# KiCad board panel_3_3.kicad_pcb (continued)
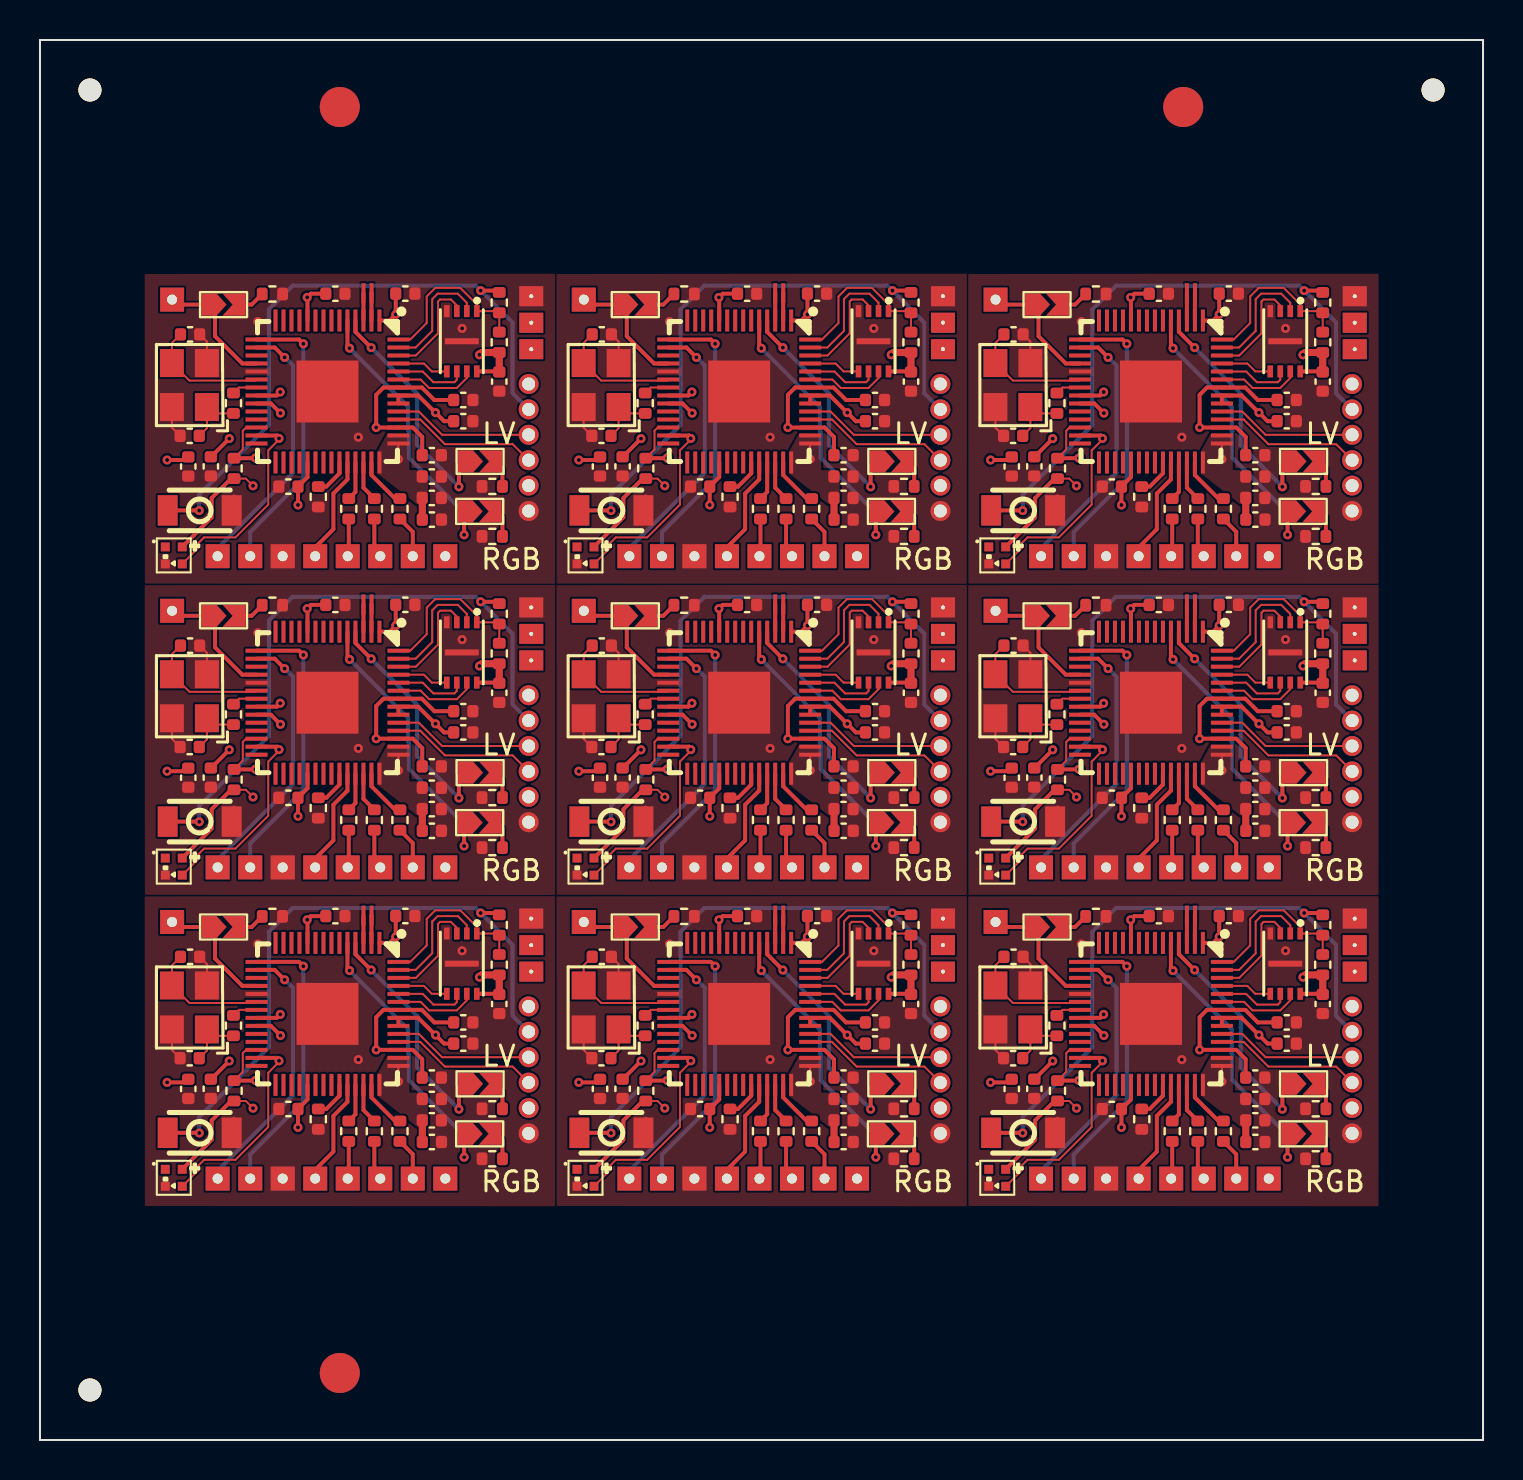
[diagram p0: board, top side]
## Placement (name value [footprint] x y rotation side) (continued)
R6#3  10k  [R_0402_1005Metric]  22.98 54.88 90 top
R6#4  10k  [R_0402_1005Metric]  43.58 39.33 90 top
R6#5  10k  [R_0402_1005Metric]  64.18 39.33 90 top
R6#6  10k  [R_0402_1005Metric]  22.98 39.33 90 top
R6#7  10k  [R_0402_1005Metric]  43.58 54.88 90 top
R6#8  10k  [R_0402_1005Metric]  43.58 23.77 90 top
R6#9  10k  [R_0402_1005Metric]  64.18 54.88 90 top
R7  10k  [R_0402_1005Metric]  43.23 45.18 180 top
R7#2  10k  [R_0402_1005Metric]  43.23 14.06 180 top
R7#3  10k  [R_0402_1005Metric]  63.83 45.18 180 top
R7#4  10k  [R_0402_1005Metric]  63.83 14.06 180 top
R7#5  10k  [R_0402_1005Metric]  22.63 29.62 180 top
R7#6  10k  [R_0402_1005Metric]  43.23 29.62 180 top
R7#7  10k  [R_0402_1005Metric]  22.63 45.18 180 top
R7#8  10k  [R_0402_1005Metric]  22.63 14.06 180 top
R7#9  10k  [R_0402_1005Metric]  63.83 29.62 180 top
R9  47  [R_0402_1005Metric]  15.45 46.56 270 top
R9#2  47  [R_0402_1005Metric]  36.05 31 270 top
R9#3  47  [R_0402_1005Metric]  56.65 46.56 270 top
R9#4  47  [R_0402_1005Metric]  15.45 31 270 top
R9#5  47  [R_0402_1005Metric]  56.65 15.44 270 top
R9#6  47  [R_0402_1005Metric]  36.05 15.44 270 top
R9#7  47  [R_0402_1005Metric]  15.45 15.44 270 top
R9#8  47  [R_0402_1005Metric]  56.65 31 270 top
R9#9  47  [R_0402_1005Metric]  36.05 46.56 270 top
R10  47  [R_0402_1005Metric]  37.33 15.44 270 top
R10#2  47  [R_0402_1005Metric]  57.93 46.56 270 top
R10#3  47  [R_0402_1005Metric]  37.33 46.56 270 top
R10#4  47  [R_0402_1005Metric]  16.73 15.44 270 top
R10#5  47  [R_0402_1005Metric]  16.73 46.56 270 top
R10#6  47  [R_0402_1005Metric]  37.33 31 270 top
R10#7  47  [R_0402_1005Metric]  16.73 31 270 top
R10#8  47  [R_0402_1005Metric]  57.93 31 270 top
R10#9  47  [R_0402_1005Metric]  57.93 15.44 270 top
R11  47  [R_0402_1005Metric]  18.01 15.44 270 top
R11#2  47  [R_0402_1005Metric]  38.61 46.56 270 top
R11#3  47  [R_0402_1005Metric]  18.01 46.56 270 top
R11#4  47  [R_0402_1005Metric]  38.61 31 270 top
R11#5  47  [R_0402_1005Metric]  59.21 31 270 top
R11#6  47  [R_0402_1005Metric]  59.21 46.56 270 top
R11#7  47  [R_0402_1005Metric]  18.01 31 270 top
R11#8  47  [R_0402_1005Metric]  38.61 15.44 270 top
R11#9  47  [R_0402_1005Metric]  59.21 15.44 270 top
R12  10k  [R_0402_1005Metric]  32.23 57.3 0 top
R12#2  10k  [R_0402_1005Metric]  32.23 26.18 0 top
R12#3  10k  [R_0402_1005Metric]  52.83 57.3 0 top
R12#4  10k  [R_0402_1005Metric]  11.63 57.3 0 top
R12#5  10k  [R_0402_1005Metric]  52.83 26.18 0 top
R12#6  10k  [R_0402_1005Metric]  32.23 41.74 0 top
R12#7  10k  [R_0402_1005Metric]  11.63 41.74 0 top
R12#8  10k  [R_0402_1005Metric]  52.83 41.74 0 top
R12#9  10k  [R_0402_1005Metric]  11.63 26.18 0 top
REF**  -  [NPTH]  2.5 67.5 0 top
REF**#2  -  [Fiducial]  57.2 66.65 0 top
REF**#3  -  [NPTH]  69.7 67.5 0 top
REF**#4  -  [Fiducial]  15 66.65 0 top
REF**#5  -  [Fiducial]  15 3.35 0 top
REF**#6  -  [NPTH]  2.5 2.5 0 top
REF**#7  -  [Fiducial]  57.2 66.65 0 bottom
REF**#8  -  [Fiducial]  15 66.65 0 bottom
REF**#9  -  [Fiducial]  15 3.35 0 bottom
SW1  EVPAWED40  [KEY-SMD_L3.0-W2.0-LS3.5]  28.59 30.92 0 top
SW1#2  EVPAWED40  [KEY-SMD_L3.0-W2.0-LS3.5]  49.19 30.92 0 top
SW1#3  EVPAWED40  [KEY-SMD_L3.0-W2.0-LS3.5]  7.99 15.36 0 top
SW1#4  EVPAWED40  [KEY-SMD_L3.0-W2.0-LS3.5]  7.99 30.92 0 top
SW1#5  EVPAWED40  [KEY-SMD_L3.0-W2.0-LS3.5]  28.59 46.48 0 top
SW1#6  EVPAWED40  [KEY-SMD_L3.0-W2.0-LS3.5]  49.19 15.36 0 top
SW1#7  EVPAWED40  [KEY-SMD_L3.0-W2.0-LS3.5]  49.19 46.48 0 top
SW1#8  EVPAWED40  [KEY-SMD_L3.0-W2.0-LS3.5]  28.59 15.36 0 top
SW1#9  EVPAWED40  [KEY-SMD_L3.0-W2.0-LS3.5]  7.99 46.48 0 top
U1  RP2040  [LQFN-56_L7.0-W7.0-P0.4-EP]  34.98 36.87 270 top
U1#2  RP2040  [LQFN-56_L7.0-W7.0-P0.4-EP]  14.38 52.42 270 top
U1#3  RP2040  [LQFN-56_L7.0-W7.0-P0.4-EP]  55.59 36.87 270 top
U1#4  RP2040  [LQFN-56_L7.0-W7.0-P0.4-EP]  34.98 21.31 270 top
U1#5  RP2040  [LQFN-56_L7.0-W7.0-P0.4-EP]  34.98 52.42 270 top
U1#6  RP2040  [LQFN-56_L7.0-W7.0-P0.4-EP]  55.59 21.31 270 top
U1#7  RP2040  [LQFN-56_L7.0-W7.0-P0.4-EP]  55.59 52.42 270 top
U1#8  RP2040  [LQFN-56_L7.0-W7.0-P0.4-EP]  14.38 36.87 270 top
U1#9  RP2040  [LQFN-56_L7.0-W7.0-P0.4-EP]  14.38 21.31 270 top
U2  W25Q16JVUXIQ  [USON-8_L3.0-W2.0-P0.50-BL-EP]  21.1 54.94 180 top
U2#2  W25Q16JVUXIQ  [USON-8_L3.0-W2.0-P0.50-BL-EP]  62.31 23.82 180 top
U2#3  W25Q16JVUXIQ  [USON-8_L3.0-W2.0-P0.50-BL-EP]  62.31 39.38 180 top
U2#4  W25Q16JVUXIQ  [USON-8_L3.0-W2.0-P0.50-BL-EP]  62.31 54.94 180 top
U2#5  W25Q16JVUXIQ  [USON-8_L3.0-W2.0-P0.50-BL-EP]  41.7 23.82 180 top
U2#6  W25Q16JVUXIQ  [USON-8_L3.0-W2.0-P0.50-BL-EP]  41.7 54.94 180 top
U2#7  W25Q16JVUXIQ  [USON-8_L3.0-W2.0-P0.50-BL-EP]  41.7 39.38 180 top
U2#8  W25Q16JVUXIQ  [USON-8_L3.0-W2.0-P0.50-BL-EP]  21.1 23.82 180 top
U2#9  W25Q16JVUXIQ  [USON-8_L3.0-W2.0-P0.50-BL-EP]  21.1 39.38 180 top
U5  XL-1010RGBC-WS2812B  [LED-SMD_4P-L1.0-W1.0-TL_XL-1010RGBC-WS2812B]  27.29 13.11 0 top
U5#2  XL-1010RGBC-WS2812B  [LED-SMD_4P-L1.0-W1.0-TL_XL-1010RGBC-WS2812B]  6.69 13.11 0 top
U5#3  XL-1010RGBC-WS2812B  [LED-SMD_4P-L1.0-W1.0-TL_XL-1010RGBC-WS2812B]  27.29 44.23 0 top
U5#4  XL-1010RGBC-WS2812B  [LED-SMD_4P-L1.0-W1.0-TL_XL-1010RGBC-WS2812B]  47.89 44.23 0 top
U5#5  XL-1010RGBC-WS2812B  [LED-SMD_4P-L1.0-W1.0-TL_XL-1010RGBC-WS2812B]  6.69 28.67 0 top
U5#6  XL-1010RGBC-WS2812B  [LED-SMD_4P-L1.0-W1.0-TL_XL-1010RGBC-WS2812B]  47.89 13.11 0 top
U5#7  XL-1010RGBC-WS2812B  [LED-SMD_4P-L1.0-W1.0-TL_XL-1010RGBC-WS2812B]  47.89 28.67 0 top
U5#8  XL-1010RGBC-WS2812B  [LED-SMD_4P-L1.0-W1.0-TL_XL-1010RGBC-WS2812B]  6.69 44.23 0 top
U5#9  XL-1010RGBC-WS2812B  [LED-SMD_4P-L1.0-W1.0-TL_XL-1010RGBC-WS2812B]  27.29 28.67 0 top
X1  SMD-3225_4P_12.000MHZ_9PF  [OSC-SMD_4P-L3.2-W2.5-BL]  28.08 21.63 90 top
X1#2  SMD-3225_4P_12.000MHZ_9PF  [OSC-SMD_4P-L3.2-W2.5-BL]  7.48 21.63 90 top
X1#3  SMD-3225_4P_12.000MHZ_9PF  [OSC-SMD_4P-L3.2-W2.5-BL]  48.68 37.19 90 top
X1#4  SMD-3225_4P_12.000MHZ_9PF  [OSC-SMD_4P-L3.2-W2.5-BL]  28.08 37.19 90 top
X1#5  SMD-3225_4P_12.000MHZ_9PF  [OSC-SMD_4P-L3.2-W2.5-BL]  48.68 21.63 90 top
X1#6  SMD-3225_4P_12.000MHZ_9PF  [OSC-SMD_4P-L3.2-W2.5-BL]  28.08 52.75 90 top
X1#7  SMD-3225_4P_12.000MHZ_9PF  [OSC-SMD_4P-L3.2-W2.5-BL]  7.48 52.75 90 top
X1#8  SMD-3225_4P_12.000MHZ_9PF  [OSC-SMD_4P-L3.2-W2.5-BL]  7.48 37.19 90 top
X1#9  SMD-3225_4P_12.000MHZ_9PF  [OSC-SMD_4P-L3.2-W2.5-BL]  48.68 52.75 90 top

## Library data of the parts
C1 C1#2-C1#9 C3 C3#2-C3#9 = -: Description: 50V 27pF C0G   5% 0402 Multilayer Ceramic Capacitors MLCC - SMD SMT ROHS; LCSC: C1557; MFG: FH(Guangdong Fenghua Advanced Tech); MFGPN: 0402CG270J500NT
C2 C2#2-C2#9 C4 C4#2-C4#9 C7 C7#2-C7#9 C8 C8#2-C8#9 C9 C9#2-C9#9 C10 C10#2-C10#9 C11 C11#2-C11#9 C12 C12#2-C12#9 C13 C13#2-C13#9 C14 C14#2-C14#9 = -: Description: 16V 100nF X7R   10% 0402 Multilayer Ceramic Capacitors MLCC - SMD SMT ROHS; LCSC: C1525; MFG: Samsung Electro-Mechanics; MFGPN: CL05B104KO5NNNC
C5 C5#2-C5#9 C6 C6#2-C6#9 = -: Description: 25V 1uF X5R   10% 0402 Multilayer Ceramic Capacitors MLCC - SMD SMT ROHS; LCSC: C52923; MFG: Samsung Electro-Mechanics; MFGPN: CL05A105KA5NQNC
J1 J1#2-J1#9 J2 J2#2-J2#9 J3 J3#2-J3#9 J4 J4#2-J4#9 J5 J5#2-J5#9 J6 J6#2-J6#9 J7 J7#2-J7#9 J9 J9#2-J9#9 J10 J10#2-J10#9 J11 J11#2-J11#9 J12 J12#2-J12#9 J13 J13#2-J13#9 J14 J14#2-J14#9 J15 J15#2-J15#9 = -: Description: Generic connector, single row, 01x01, script generated (kicad-library-utils/schlib/autogen/connector/)
J8 J8#2-J8#9 = -: Description: Generic connector, single row, 01x06, script generated (kicad-library-utils/schlib/autogen/connector/)
JP1 JP1#2-JP1#9 JP2 JP2#2-JP2#9 JP3 JP3#2-JP3#9 = -: Description: Jumper, 2-pole, open
R1 R1#2-R1#9 R5 R5#2-R5#9 = -: Description: 1% 1 16W Thick Film Resistors 50V   100ppm    -55    155   1k   0402 Chip Resistor - Surface Mount ROHS; LCSC: C11702; MFG: UNI-ROYAL(Uniroyal Elec); MFGPN: 0402WGF1001TCE
R2 R2#2-R2#9 R3 R3#2-R3#9 R4 R4#2-R4#9 R6 R6#2-R6#9 R7 R7#2-R7#9 R12 R12#2-R12#9 = -: Description: 1% 1 16W Thick Film Resistors 50V   100ppm    -55    155   10k   0402 Chip Resistor - Surface Mount ROHS; LCSC: C25744; MFG: UNI-ROYAL(Uniroyal Elec); MFGPN: 0402WGF1002TCE
R9 R9#2-R9#9 R10 R10#2-R10#9 R11 R11#2-R11#9 = -: Description: 1% 1 16W Thick Film Resistors 50V   200ppm    -55    155   47   0402 Chip Resistor - Surface Mount ROHS; LCSC: C25118; MFG: UNI-ROYAL(Uniroyal Elec); MFGPN: 0402WGF470JTCE
SW1 SW1#2-SW1#9 = -: LCSC: C2858607; SuppliersPartNumber: C2858607; uuid: std:b3d2281db68646f2b0685a65c68733f5
U1 U1#2-U1#9 = -: LCSC: C2040; SuppliersPartNumber: C2040; uuid: std:c2754a5dac404cb1b757213b56759c67
U2 U2#2-U2#9 = -: LCSC: C2843335; SuppliersPartNumber: C2843335; uuid: std:66ae94394ed740d3b0137599308f54a6
U5 U5#3-U5#6 U5#8 = -: LCSC: C5349953; SuppliersPartNumber: C5349953; uuid: std:b345638697f54fed94b7ee83c7589e6a; Field7: DO; Field8: DI
U5#2 U5#7 U5#9 = -: LCSC: C5349953; SuppliersPartNumber: C5349953; uuid: std:b345638697f54fed94b7ee83c7589e6a; Field7: DI; Field8: DO
X1 X1#2-X1#9 = -: LCSC: C362368; SuppliersPartNumber: C362368; uuid: std:de6bf95d1c734ee9b9ab1b97c5f93dbc

## Footprints (pads in the part's own frame, mm; a bottom-side part is the same pattern mirrored in y, then rotated)
C_0402_1005Metric
  rrect 0.56x0.62 smd: 1(-0.48,0) 2(0.48,0)
Fiducial
  round 2 smd: (0,0)
KEY-SMD_L3.0-W2.0-LS3.5
  rect 1x1.524 smd: 1(-1.6,0) 2(1.6,0)
LED-SMD_4P-L1.0-W1.0-TL_XL-1010RGBC-WS2812B
  rect 0.45x0.45 smd: 1(-0.425,0.425) 2(0.425,0.425) 3(-0.425,-0.425) 4(0.425,-0.425)
LQFN-56_L7.0-W7.0-P0.4-EP
  rect 1.1x0.2 smd: 1(-3.55,2.6) 2(-3.55,2.2) 3(-3.55,1.8) 4(-3.55,1.4) 5(-3.55,1) 6(-3.55,0.6) 7(-3.55,0.2) 8(-3.55,-0.2) 9(-3.55,-0.6) 10(-3.55,-1) 11(-3.55,-1.4) 12(-3.55,-1.8) 13(-3.55,-2.2) 14(-3.55,-2.6) 29(3.55,-2.6) 30(3.55,-2.2) 31(3.55,-1.8) 32(3.55,-1.4) 33(3.55,-1) 34(3.55,-0.6) 35(3.55,-0.2) 36(3.55,0.2) 37(3.55,0.6) 38(3.55,1) 39(3.55,1.4) 40(3.55,1.8) 41(3.55,2.2) 42(3.55,2.6)
  rect 0.2x1.1 smd: 15(-2.6,-3.55) 16(-2.2,-3.55) 17(-1.8,-3.55) 18(-1.4,-3.55) 19(-1,-3.55) 20(-0.6,-3.55) 21(-0.2,-3.55) 22(0.2,-3.55) 23(0.6,-3.55) 24(1,-3.55) 25(1.4,-3.55) 26(1.8,-3.55) 27(2.2,-3.55) 28(2.6,-3.55) 43(2.6,3.55) 44(2.2,3.55) 45(1.8,3.55) 46(1.4,3.55) 47(1,3.55) 48(0.6,3.55) 49(0.2,3.55) 50(-0.2,3.55) 51(-0.6,3.55) 52(-1,3.55) 53(-1.4,3.55) 54(-1.8,3.55) 55(-2.2,3.55) 56(-2.6,3.55)
  rect 3.1x3.1 smd: 57(0,0)
NPTH
  round 1.152 hole 1.152 unplated: (0,0)
OSC-SMD_4P-L3.2-W2.5-BL
  rect 1.4x1.2 smd: 1(-1.1,-0.875) 2(1.1,-0.875) 3(1.1,0.875) 4(-1.1,0.875)
Pad_0.2x1mm
  rect 0.2x1 smd: 1(0,0)
ProgPins_1x06_P1.27mm
  oval 1x1 hole 0.65: 1(0,0) 2(0,-1.27) 3(0,-2.54) 4(0,-3.81) 5(0,-5.08) 6(0,-6.35)
R_0402_1005Metric
  rrect 0.54x0.64 smd: 1(-0.51,0) 2(0.51,0)
SolderJumper-2_P1.3mm_Open_TrianglePad1.0x1.5mm_Sm
  custom 1.25x1.1 smd: 1(-0.725,0)
  custom 1.15x1.1 smd: 2(0.725,0)
TH_Pads_1.2x1_P1.20mml
  rect 1.2x1 hole 0.2: 1(0,0)
TH_Pads_1x1_P1.20mml
  rect 1.2x1.2 hole 0.5: 1(0,0)
USON-8_L3.0-W2.0-P0.50-BL-EP
  rect 0.28x0.6 smd: 1(-0.75,-1.507) 2(-0.25,-1.507) 3(0.25,-1.507) 4(0.75,-1.507) 5(0.75,1.507) 6(0.25,1.507) 7(-0.25,1.507) 8(-0.75,1.507)
  rect 1.7x0.3 smd: 9(0,0)

## Nets
Board_0-+1V1: C2#4.1 C4#2.1 C5.1 U1#2.23 U1#2.45 U1#2.50
Board_0-+3V3: C6#6.2 C7#7.1 C8#5.1 C9#2.1 C10#4.1 C11#9.1 C12#2.1 C13#6.1 C14#3.1 J8#4.5 J10#2.1 J11#4.1 R2#8.1 R6#3.1 U1#2.1 U1#2.10 U1#2.22 U1#2.33 U1#2.42 U1#2.43 U1#2.44 U1#2.48 U1#2.49 U2.8 U5#8.2
Board_0-BOARD_DET: R3#3.1 U1#2.37
Board_0-BOOT: J8#4.2 R5#8.1 SW1#9.1
Board_0-D+: J8#4.3 U1#2.47
Board_0-D-: J8#4.4 U1#2.46
Board_0-DBG_CLK: U1#2.24
Board_0-DBG_DAT: U1#2.25
Board_0-FLY_IO0: J14.1 U1#2.2
Board_0-FLY_IO1: J15#3.1 U1#2.3
Board_0-GND: C1#5.1 C2#4.2 C3#2.2 C4#2.2 C5.2 C6#6.1 C7#7.2 C8#5.2 C9#2.2 C10#4.2 C11#9.2 C12#2.2 C13#6.2 C14#3.2 J8#4.6 J9#7.1 J12#3.1 R3#3.2 R4#2.2 R7#7.2 R12#4.2 SW1#9.2 U1#2.19 U1#2.57 U2.4 U2.9 U5#8.3 X1#7.2 X1#7.4
Board_0-LED_DATA: J13#6.1 U1#2.27 U5#8.4
Board_0-Net-(JP1-B): JP1#2.2 R12#4.1
Board_0-Net-(JP2-B): JP2#6.2 R4#2.1
Board_0-Net-(JP3-B): JP3#8.2 R7#7.1
Board_0-Net-(U1-GPIO27_ADC1): R9.1 U1#2.39
Board_0-Net-(U1-GPIO28_ADC2): R10#5.1 U1#2.40
Board_0-Net-(U1-GPIO29_ADC3): R11#3.1 U1#2.41
Board_0-Net-(X1-OSC1): C1#5.2 R1#6.1 X1#7.1
Board_0-NS_CLK: J3#5.1 R9.2
Board_0-NS_CMD: J4#3.1 R10#5.2
Board_0-NS_CPU: J1#9.1 JP1#2.1 U1#2.18
Board_0-NS_D0: J5.1 R11#3.2
Board_0-NS_RST: J2#3.1 U1#2.38
Board_0-NS_SCL: J7#8.1 U1#2.16
Board_0-NS_SDA: J6#7.1 U1#2.15
Board_0-QSPI_CS: R5#8.2 R6#3.2 U1#2.56 U2.1
Board_0-QSPI_SCK: U1#2.52 U2.6
Board_0-QSPI_SD0: U1#2.53 U2.5
Board_0-QSPI_SD1: U1#2.55 U2.2
Board_0-QSPI_SD2: U1#2.54 U2.3
Board_0-QSPI_SD3: U1#2.51 U2.7
Board_0-RST: J8#4.1 R2#8.2 U1#2.26
Board_0-SW_CPU_LOWV: JP2#6.1 U1#2.4
Board_0-SW_I2C_LEDS: JP3#8.1 U1#2.5
Board_0-unconnected-(U1-GPIO4-Pad6): U1#2.6
Board_0-unconnected-(U1-GPIO5-Pad7): U1#2.7
Board_0-unconnected-(U1-GPIO6-Pad8): U1#2.8
Board_0-unconnected-(U1-GPIO7-Pad9): U1#2.9
Board_0-unconnected-(U1-GPIO8-Pad11): U1#2.11
Board_0-unconnected-(U1-GPIO9-Pad12): U1#2.12
Board_0-unconnected-(U1-GPIO10-Pad13): U1#2.13
Board_0-unconnected-(U1-GPIO11-Pad14): U1#2.14
Board_0-unconnected-(U1-GPIO14-Pad17): U1#2.17
Board_0-unconnected-(U1-GPIO17-Pad28): U1#2.28
Board_0-unconnected-(U1-GPIO18-Pad29): U1#2.29
Board_0-unconnected-(U1-GPIO19-Pad30): U1#2.30
Board_0-unconnected-(U1-GPIO20-Pad31): U1#2.31
Board_0-unconnected-(U1-GPIO21-Pad32): U1#2.32
Board_0-unconnected-(U1-GPIO22-Pad34): U1#2.34
Board_0-unconnected-(U1-GPIO23-Pad35): U1#2.35
Board_0-unconnected-(U1-GPIO24-Pad36): U1#2.36
Board_0-unconnected-(U5-DOUT-Pad1): U5#8.1
Board_0-XIN: C3#2.1 U1#2.20 X1#7.3
Board_0-XOUT: R1#6.2 U1#2.21
Board_1-+1V1: C2#5.1 C4#7.1 C5#5.1 U1#5.23 U1#5.45 U1#5.50
Board_1-+3V3: C6#9.2 C7#3.1 C8#2.1 C9#9.1 C10#3.1 C11.1 C12.1 C13#2.1 C14#8.1 J8#9.5 J10#3.1 J11#2.1 R2.1 R6#7.1 U1#5.1 U1#5.10 U1#5.22 U1#5.33 U1#5.42 U1#5.43 U1#5.44 U1#5.48 U1#5.49 U2#6.8 U5#3.2
Board_1-BOARD_DET: R3#4.1 U1#5.37
Board_1-BOOT: J8#9.2 R5#3.1 SW1#5.1
Board_1-D+: J8#9.3 U1#5.47
Board_1-D-: J8#9.4 U1#5.46
Board_1-DBG_CLK: U1#5.24
Board_1-DBG_DAT: U1#5.25
Board_1-FLY_IO0: J14#3.1 U1#5.2
Board_1-FLY_IO1: J15#8.1 U1#5.3
Board_1-GND: C1#9.1 C2#5.2 C3#7.2 C4#7.2 C5#5.2 C6#9.1 C7#3.2 C8#2.2 C9#9.2 C10#3.2 C11.2 C12.2 C13#2.2 C14#8.2 J8#9.6 J9#5.1 J12#5.1 R3#4.2 R4#8.2 R7.2 R12.2 SW1#5.2 U1#5.19 U1#5.57 U2#6.4 U2#6.9 U5#3.3 X1#6.2 X1#6.4
Board_1-LED_DATA: J13#7.1 U1#5.27 U5#3.4
Board_1-Net-(JP1-B): JP1#8.2 R12.1
Board_1-Net-(JP2-B): JP2#3.2 R4#8.1
Board_1-Net-(JP3-B): JP3#2.2 R7.1
Board_1-Net-(U1-GPIO27_ADC1): R9#9.1 U1#5.39
Board_1-Net-(U1-GPIO28_ADC2): R10#3.1 U1#5.40
Board_1-Net-(U1-GPIO29_ADC3): R11#2.1 U1#5.41
Board_1-Net-(X1-OSC1): C1#9.2 R1#5.1 X1#6.1
Board_1-NS_CLK: J3#9.1 R9#9.2
Board_1-NS_CMD: J4#9.1 R10#3.2
Board_1-NS_CPU: J1#5.1 JP1#8.1 U1#5.18
Board_1-NS_D0: J5#6.1 R11#2.2
Board_1-NS_RST: J2#7.1 U1#5.38
Board_1-NS_SCL: J7#6.1 U1#5.16
Board_1-NS_SDA: J6.1 U1#5.15
Board_1-QSPI_CS: R5#3.2 R6#7.2 U1#5.56 U2#6.1
Board_1-QSPI_SCK: U1#5.52 U2#6.6
Board_1-QSPI_SD0: U1#5.53 U2#6.5
Board_1-QSPI_SD1: U1#5.55 U2#6.2
Board_1-QSPI_SD2: U1#5.54 U2#6.3
Board_1-QSPI_SD3: U1#5.51 U2#6.7
Board_1-RST: J8#9.1 R2.2 U1#5.26
Board_1-SW_CPU_LOWV: JP2#3.1 U1#5.4
Board_1-SW_I2C_LEDS: JP3#2.1 U1#5.5
Board_1-unconnected-(U1-GPIO4-Pad6): U1#5.6
Board_1-unconnected-(U1-GPIO5-Pad7): U1#5.7
Board_1-unconnected-(U1-GPIO6-Pad8): U1#5.8
Board_1-unconnected-(U1-GPIO7-Pad9): U1#5.9
Board_1-unconnected-(U1-GPIO8-Pad11): U1#5.11
Board_1-unconnected-(U1-GPIO9-Pad12): U1#5.12
Board_1-unconnected-(U1-GPIO10-Pad13): U1#5.13
Board_1-unconnected-(U1-GPIO11-Pad14): U1#5.14
Board_1-unconnected-(U1-GPIO14-Pad17): U1#5.17
Board_1-unconnected-(U1-GPIO17-Pad28): U1#5.28
Board_1-unconnected-(U1-GPIO18-Pad29): U1#5.29
Board_1-unconnected-(U1-GPIO19-Pad30): U1#5.30
Board_1-unconnected-(U1-GPIO20-Pad31): U1#5.31
Board_1-unconnected-(U1-GPIO21-Pad32): U1#5.32
Board_1-unconnected-(U1-GPIO22-Pad34): U1#5.34
Board_1-unconnected-(U1-GPIO23-Pad35): U1#5.35
Board_1-unconnected-(U1-GPIO24-Pad36): U1#5.36
Board_1-unconnected-(U5-DOUT-Pad1): U5#3.1
Board_1-XIN: C3#7.1 U1#5.20 X1#6.3
Board_1-XOUT: R1#5.2 U1#5.21
Board_2-+1V1: C2.1 C4#5.1 C5#4.1 U1#7.23 U1#7.45 U1#7.50
Board_2-+3V3: C6#5.2 C7#8.1 C8#4.1 C9#6.1 C10#8.1 C11#3.1 C12#7.1 C13#3.1 C14#4.1 J8#2.5 J10#8.1 J11#9.1 R2#5.1 R6#9.1 U1#7.1 U1#7.10 U1#7.22 U1#7.33 U1#7.42 U1#7.43 U1#7.44 U1#7.48 U1#7.49 U2#4.8 U5#4.2
Board_2-BOARD_DET: R3#9.1 U1#7.37
Board_2-BOOT: J8#2.2 R5#7.1 SW1#7.1
Board_2-D+: J8#2.3 U1#7.47
Board_2-D-: J8#2.4 U1#7.46
Board_2-DBG_CLK: U1#7.24
Board_2-DBG_DAT: U1#7.25
Board_2-FLY_IO0: J14#2.1 U1#7.2
Board_2-FLY_IO1: J15#7.1 U1#7.3
Board_2-GND: C1#4.1 C2.2 C3#5.2 C4#5.2 C5#4.2 C6#5.1 C7#8.2 C8#4.2 C9#6.2 C10#8.2 C11#3.2 C12#7.2 C13#3.2 C14#4.2 J8#2.6 J9#2.1 J12#6.1 R3#9.2 R4#9.2 R7#3.2 R12#3.2 SW1#7.2 U1#7.19 U1#7.57 U2#4.4 U2#4.9 U5#4.3 X1#9.2 X1#9.4
Board_2-LED_DATA: J13#4.1 U1#7.27 U5#4.4
Board_2-Net-(JP1-B): JP1#5.2 R12#3.1
Board_2-Net-(JP2-B): JP2#4.2 R4#9.1
Board_2-Net-(JP3-B): JP3#7.2 R7#3.1
Board_2-Net-(U1-GPIO27_ADC1): R9#3.1 U1#7.39
Board_2-Net-(U1-GPIO28_ADC2): R10#2.1 U1#7.40
Board_2-Net-(U1-GPIO29_ADC3): R11#6.1 U1#7.41
Board_2-Net-(X1-OSC1): C1#4.2 R1.1 X1#9.1
Board_2-NS_CLK: J3#8.1 R9#3.2
Board_2-NS_CMD: J4#4.1 R10#2.2
Board_2-NS_CPU: J1.1 JP1#5.1 U1#7.18
Board_2-NS_D0: J5#4.1 R11#6.2
Board_2-NS_RST: J2#4.1 U1#7.38
Board_2-NS_SCL: J7#7.1 U1#7.16
Board_2-NS_SDA: J6#5.1 U1#7.15
Board_2-QSPI_CS: R5#7.2 R6#9.2 U1#7.56 U2#4.1
Board_2-QSPI_SCK: U1#7.52 U2#4.6
Board_2-QSPI_SD0: U1#7.53 U2#4.5
Board_2-QSPI_SD1: U1#7.55 U2#4.2
Board_2-QSPI_SD2: U1#7.54 U2#4.3
Board_2-QSPI_SD3: U1#7.51 U2#4.7
Board_2-RST: J8#2.1 R2#5.2 U1#7.26
Board_2-SW_CPU_LOWV: JP2#4.1 U1#7.4
Board_2-SW_I2C_LEDS: JP3#7.1 U1#7.5
Board_2-unconnected-(U1-GPIO4-Pad6): U1#7.6
Board_2-unconnected-(U1-GPIO5-Pad7): U1#7.7
Board_2-unconnected-(U1-GPIO6-Pad8): U1#7.8
Board_2-unconnected-(U1-GPIO7-Pad9): U1#7.9
Board_2-unconnected-(U1-GPIO8-Pad11): U1#7.11
Board_2-unconnected-(U1-GPIO9-Pad12): U1#7.12
Board_2-unconnected-(U1-GPIO10-Pad13): U1#7.13
Board_2-unconnected-(U1-GPIO11-Pad14): U1#7.14
Board_2-unconnected-(U1-GPIO14-Pad17): U1#7.17
Board_2-unconnected-(U1-GPIO17-Pad28): U1#7.28
Board_2-unconnected-(U1-GPIO18-Pad29): U1#7.29
Board_2-unconnected-(U1-GPIO19-Pad30): U1#7.30
Board_2-unconnected-(U1-GPIO20-Pad31): U1#7.31
Board_2-unconnected-(U1-GPIO21-Pad32): U1#7.32
Board_2-unconnected-(U1-GPIO22-Pad34): U1#7.34
Board_2-unconnected-(U1-GPIO23-Pad35): U1#7.35
Board_2-unconnected-(U1-GPIO24-Pad36): U1#7.36
Board_2-unconnected-(U5-DOUT-Pad1): U5#4.1
Board_2-XIN: C3#5.1 U1#7.20 X1#9.3
Board_2-XOUT: R1.2 U1#7.21
Board_3-+1V1: C2#6.1 C4#3.1 C5#2.1 U1#8.23 U1#8.45 U1#8.50
Board_3-+3V3: C6.2 C7#2.1 C8#8.1 C9#8.1 C10#2.1 C11#2.1 C12#8.1 C13#4.1 C14#7.1 J8#7.5 J10#9.1 J11#8.1 R2#3.1 R6#6.1 U1#8.1 U1#8.10 U1#8.22 U1#8.33 U1#8.42 U1#8.43 U1#8.44 U1#8.48 U1#8.49 U2#9.8 U5#5.2
Board_3-BOARD_DET: R3#8.1 U1#8.37
Board_3-BOOT: J8#7.2 R5#4.1 SW1#4.1
Board_3-D+: J8#7.3 U1#8.47
Board_3-D-: J8#7.4 U1#8.46
Board_3-DBG_CLK: U1#8.24
Board_3-DBG_DAT: U1#8.25
Board_3-FLY_IO0: J14#9.1 U1#8.2
Board_3-FLY_IO1: J15#2.1 U1#8.3
Board_3-GND: C1#7.1 C2#6.2 C3.2 C4#3.2 C5#2.2 C6.1 C7#2.2 C8#8.2 C9#8.2 C10#2.2 C11#2.2 C12#8.2 C13#4.2 C14#7.2 J8#7.6 J9#6.1 J12#2.1 R3#8.2 R4.2 R7#5.2 R12#7.2 SW1#4.2 U1#8.19 U1#8.57 U2#9.4 U2#9.9 U5#5.3 X1#8.2 X1#8.4
Board_3-LED_DATA: J13#8.1 U1#8.27 U5#5.4
Board_3-Net-(JP1-B): JP1#6.2 R12#7.1
Board_3-Net-(JP2-B): JP2#8.2 R4.1
Board_3-Net-(JP3-B): JP3#5.2 R7#5.1
Board_3-Net-(U1-GPIO27_ADC1): R9#4.1 U1#8.39
Board_3-Net-(U1-GPIO28_ADC2): R10#7.1 U1#8.40
Board_3-Net-(U1-GPIO29_ADC3): R11#7.1 U1#8.41
Board_3-Net-(X1-OSC1): C1#7.2 R1#2.1 X1#8.1
Board_3-NS_CLK: J3#7.1 R9#4.2
Board_3-NS_CMD: J4#5.1 R10#7.2
Board_3-NS_CPU: J1#6.1 JP1#6.1 U1#8.18
Board_3-NS_D0: J5#3.1 R11#7.2
Board_3-NS_RST: J2#5.1 U1#8.38
Board_3-NS_SCL: J7#3.1 U1#8.16
Board_3-NS_SDA: J6#3.1 U1#8.15
Board_3-QSPI_CS: R5#4.2 R6#6.2 U1#8.56 U2#9.1
Board_3-QSPI_SCK: U1#8.52 U2#9.6
Board_3-QSPI_SD0: U1#8.53 U2#9.5
Board_3-QSPI_SD1: U1#8.55 U2#9.2
Board_3-QSPI_SD2: U1#8.54 U2#9.3
Board_3-QSPI_SD3: U1#8.51 U2#9.7
Board_3-RST: J8#7.1 R2#3.2 U1#8.26
Board_3-SW_CPU_LOWV: JP2#8.1 U1#8.4
Board_3-SW_I2C_LEDS: JP3#5.1 U1#8.5
Board_3-unconnected-(U1-GPIO4-Pad6): U1#8.6
Board_3-unconnected-(U1-GPIO5-Pad7): U1#8.7
Board_3-unconnected-(U1-GPIO6-Pad8): U1#8.8
Board_3-unconnected-(U1-GPIO7-Pad9): U1#8.9
Board_3-unconnected-(U1-GPIO8-Pad11): U1#8.11
Board_3-unconnected-(U1-GPIO9-Pad12): U1#8.12
Board_3-unconnected-(U1-GPIO10-Pad13): U1#8.13
Board_3-unconnected-(U1-GPIO11-Pad14): U1#8.14
Board_3-unconnected-(U1-GPIO14-Pad17): U1#8.17
Board_3-unconnected-(U1-GPIO17-Pad28): U1#8.28
Board_3-unconnected-(U1-GPIO18-Pad29): U1#8.29
Board_3-unconnected-(U1-GPIO19-Pad30): U1#8.30
Board_3-unconnected-(U1-GPIO20-Pad31): U1#8.31
Board_3-unconnected-(U1-GPIO21-Pad32): U1#8.32
Board_3-unconnected-(U1-GPIO22-Pad34): U1#8.34
Board_3-unconnected-(U1-GPIO23-Pad35): U1#8.35
Board_3-unconnected-(U1-GPIO24-Pad36): U1#8.36
Board_3-unconnected-(U5-DOUT-Pad1): U5#5.1
Board_3-XIN: C3.1 U1#8.20 X1#8.3
Board_3-XOUT: R1#2.2 U1#8.21
Board_4-+1V1: C2#7.1 C4#6.1 C5#9.1 U1.23 U1.45 U1.50
Board_4-+3V3: C6#8.2 C7#9.1 C8#6.1 C9.1 C10#7.1 C11#5.1 C12#6.1 C13#8.1 C14#6.1 J8#8.5 J10#4.1 J11#7.1 R2#7.1 R6#4.1 U1.1 U1.10 U1.22 U1.33 U1.42 U1.43 U1.44 U1.48 U1.49 U2#7.8 U5#9.2
Board_4-BOARD_DET: R3#2.1 U1.37
Board_4-BOOT: J8#8.2 R5#9.1 SW1.1
Board_4-D+: J8#8.3 U1.47
Board_4-D-: J8#8.4 U1.46
Board_4-DBG_CLK: U1.24
Board_4-DBG_DAT: U1.25
Board_4-FLY_IO0: J14#7.1 U1.2
Board_4-FLY_IO1: J15#9.1 U1.3
Board_4-GND: C1.1 C2#7.2 C3#3.2 C4#6.2 C5#9.2 C6#8.1 C7#9.2 C8#6.2 C9.2 C10#7.2 C11#5.2 C12#6.2 C13#8.2 C14#6.2 J8#8.6 J9#8.1 J12.1 R3#2.2 R4#5.2 R7#6.2 R12#6.2 SW1.2 U1.19 U1.57 U2#7.4 U2#7.9 U5#9.3 X1#4.2 X1#4.4
Board_4-LED_DATA: J13.1 U1.27 U5#9.4
Board_4-Net-(JP1-B): JP1#9.2 R12#6.1
Board_4-Net-(JP2-B): JP2#5.2 R4#5.1
Board_4-Net-(JP3-B): JP3.2 R7#6.1
Board_4-Net-(U1-GPIO27_ADC1): R9#2.1 U1.39
Board_4-Net-(U1-GPIO28_ADC2): R10#6.1 U1.40
Board_4-Net-(U1-GPIO29_ADC3): R11#4.1 U1.41
Board_4-Net-(X1-OSC1): C1.2 R1#9.1 X1#4.1
Board_4-NS_CLK: J3.1 R9#2.2
Board_4-NS_CMD: J4#7.1 R10#6.2
Board_4-NS_CPU: J1#2.1 JP1#9.1 U1.18
Board_4-NS_D0: J5#8.1 R11#4.2
Board_4-NS_RST: J2#6.1 U1.38
Board_4-NS_SCL: J7#2.1 U1.16
Board_4-NS_SDA: J6#2.1 U1.15
Board_4-QSPI_CS: R5#9.2 R6#4.2 U1.56 U2#7.1
Board_4-QSPI_SCK: U1.52 U2#7.6
Board_4-QSPI_SD0: U1.53 U2#7.5
Board_4-QSPI_SD1: U1.55 U2#7.2
Board_4-QSPI_SD2: U1.54 U2#7.3
Board_4-QSPI_SD3: U1.51 U2#7.7
Board_4-RST: J8#8.1 R2#7.2 U1.26
Board_4-SW_CPU_LOWV: JP2#5.1 U1.4
Board_4-SW_I2C_LEDS: JP3.1 U1.5
Board_4-unconnected-(U1-GPIO4-Pad6): U1.6
Board_4-unconnected-(U1-GPIO5-Pad7): U1.7
Board_4-unconnected-(U1-GPIO6-Pad8): U1.8
Board_4-unconnected-(U1-GPIO7-Pad9): U1.9
Board_4-unconnected-(U1-GPIO8-Pad11): U1.11
Board_4-unconnected-(U1-GPIO9-Pad12): U1.12
Board_4-unconnected-(U1-GPIO10-Pad13): U1.13
Board_4-unconnected-(U1-GPIO11-Pad14): U1.14
Board_4-unconnected-(U1-GPIO14-Pad17): U1.17
Board_4-unconnected-(U1-GPIO17-Pad28): U1.28
Board_4-unconnected-(U1-GPIO18-Pad29): U1.29
Board_4-unconnected-(U1-GPIO19-Pad30): U1.30
Board_4-unconnected-(U1-GPIO20-Pad31): U1.31
Board_4-unconnected-(U1-GPIO21-Pad32): U1.32
Board_4-unconnected-(U1-GPIO22-Pad34): U1.34
Board_4-unconnected-(U1-GPIO23-Pad35): U1.35
Board_4-unconnected-(U1-GPIO24-Pad36): U1.36
Board_4-unconnected-(U5-DOUT-Pad1): U5#9.1
Board_4-XIN: C3#3.1 U1.20 X1#4.3
Board_4-XOUT: R1#9.2 U1.21
Board_5-+1V1: C2#2.1 C4.1 C5#7.1 U1#3.23 U1#3.45 U1#3.50
Board_5-+3V3: C6#4.2 C7#5.1 C8#9.1 C9#7.1 C10#9.1 C11#6.1 C12#9.1 C13#7.1 C14#2.1 J8#3.5 J10#6.1 J11#6.1 R2#9.1 R6#5.1 U1#3.1 U1#3.10 U1#3.22 U1#3.33 U1#3.42 U1#3.43 U1#3.44 U1#3.48 U1#3.49 U2#3.8 U5#7.2
Board_5-BOARD_DET: R3#5.1 U1#3.37
Board_5-BOOT: J8#3.2 R5#6.1 SW1#2.1
Board_5-D+: J8#3.3 U1#3.47
Board_5-D-: J8#3.4 U1#3.46
Board_5-DBG_CLK: U1#3.24
Board_5-DBG_DAT: U1#3.25
Board_5-FLY_IO0: J14#6.1 U1#3.2
Board_5-FLY_IO1: J15.1 U1#3.3
Board_5-GND: C1#8.1 C2#2.2 C3#6.2 C4.2 C5#7.2 C6#4.1 C7#5.2 C8#9.2 C9#7.2 C10#9.2 C11#6.2 C12#9.2 C13#7.2 C14#2.2 J8#3.6 J9#3.1 J12#4.1 R3#5.2 R4#6.2 R7#9.2 R12#8.2 SW1#2.2 U1#3.19 U1#3.57 U2#3.4 U2#3.9 U5#7.3 X1#3.2 X1#3.4
Board_5-LED_DATA: J13#5.1 U1#3.27 U5#7.4
Board_5-Net-(JP1-B): JP1#7.2 R12#8.1
Board_5-Net-(JP2-B): JP2#2.2 R4#6.1
Board_5-Net-(JP3-B): JP3#9.2 R7#9.1
Board_5-Net-(U1-GPIO27_ADC1): R9#8.1 U1#3.39
Board_5-Net-(U1-GPIO28_ADC2): R10#8.1 U1#3.40
Board_5-Net-(U1-GPIO29_ADC3): R11#5.1 U1#3.41
Board_5-Net-(X1-OSC1): C1#8.2 R1#4.1 X1#3.1
Board_5-NS_CLK: J3#6.1 R9#8.2
Board_5-NS_CMD: J4#8.1 R10#8.2
Board_5-NS_CPU: J1#7.1 JP1#7.1 U1#3.18
Board_5-NS_D0: J5#5.1 R11#5.2
Board_5-NS_RST: J2#8.1 U1#3.38
Board_5-NS_SCL: J7#9.1 U1#3.16
Board_5-NS_SDA: J6#9.1 U1#3.15
Board_5-QSPI_CS: R5#6.2 R6#5.2 U1#3.56 U2#3.1
Board_5-QSPI_SCK: U1#3.52 U2#3.6
Board_5-QSPI_SD0: U1#3.53 U2#3.5
Board_5-QSPI_SD1: U1#3.55 U2#3.2
Board_5-QSPI_SD2: U1#3.54 U2#3.3
Board_5-QSPI_SD3: U1#3.51 U2#3.7
Board_5-RST: J8#3.1 R2#9.2 U1#3.26
Board_5-SW_CPU_LOWV: JP2#2.1 U1#3.4
Board_5-SW_I2C_LEDS: JP3#9.1 U1#3.5
Board_5-unconnected-(U1-GPIO4-Pad6): U1#3.6
Board_5-unconnected-(U1-GPIO5-Pad7): U1#3.7
Board_5-unconnected-(U1-GPIO6-Pad8): U1#3.8
Board_5-unconnected-(U1-GPIO7-Pad9): U1#3.9
Board_5-unconnected-(U1-GPIO8-Pad11): U1#3.11
Board_5-unconnected-(U1-GPIO9-Pad12): U1#3.12
Board_5-unconnected-(U1-GPIO10-Pad13): U1#3.13
Board_5-unconnected-(U1-GPIO11-Pad14): U1#3.14
Board_5-unconnected-(U1-GPIO14-Pad17): U1#3.17
Board_5-unconnected-(U1-GPIO17-Pad28): U1#3.28
Board_5-unconnected-(U1-GPIO18-Pad29): U1#3.29
Board_5-unconnected-(U1-GPIO19-Pad30): U1#3.30
Board_5-unconnected-(U1-GPIO20-Pad31): U1#3.31
Board_5-unconnected-(U1-GPIO21-Pad32): U1#3.32
Board_5-unconnected-(U1-GPIO22-Pad34): U1#3.34
Board_5-unconnected-(U1-GPIO23-Pad35): U1#3.35
Board_5-unconnected-(U1-GPIO24-Pad36): U1#3.36
Board_5-unconnected-(U5-DOUT-Pad1): U5#7.1
Board_5-XIN: C3#6.1 U1#3.20 X1#3.3
Board_5-XOUT: R1#4.2 U1#3.21
Board_6-+1V1: C2#8.1 C4#9.1 C5#8.1 U1#9.23 U1#9.45 U1#9.50
Board_6-+3V3: C6#3.2 C7#4.1 C8.1 C9#3.1 C10#6.1 C11#4.1 C12#4.1 C13#5.1 C14#9.1 J8.5 J10.1 J11.1 R2#4.1 R6#2.1 U1#9.1 U1#9.10 U1#9.22 U1#9.33 U1#9.42 U1#9.43 U1#9.44 U1#9.48 U1#9.49 U2#8.8 U5#2.2
Board_6-BOARD_DET: R3.1 U1#9.37
Board_6-BOOT: J8.2 R5#2.1 SW1#3.1
Board_6-D+: J8.3 U1#9.47
Board_6-D-: J8.4 U1#9.46
Board_6-DBG_CLK: U1#9.24
Board_6-DBG_DAT: U1#9.25
Board_6-FLY_IO0: J14#8.1 U1#9.2
Board_6-FLY_IO1: J15#4.1 U1#9.3
Board_6-GND: C1#2.1 C2#8.2 C3#4.2 C4#9.2 C5#8.2 C6#3.1 C7#4.2 C8.2 C9#3.2 C10#6.2 C11#4.2 C12#4.2 C13#5.2 C14#9.2 J8.6 J9#9.1 J12#8.1 R3.2 R4#7.2 R7#8.2 R12#9.2 SW1#3.2 U1#9.19 U1#9.57 U2#8.4 U2#8.9 U5#2.3 X1#2.2 X1#2.4
Board_6-LED_DATA: J13#3.1 U1#9.27 U5#2.4
Board_6-Net-(JP1-B): JP1#3.2 R12#9.1
Board_6-Net-(JP2-B): JP2#9.2 R4#7.1
Board_6-Net-(JP3-B): JP3#4.2 R7#8.1
Board_6-Net-(U1-GPIO27_ADC1): R9#7.1 U1#9.39
Board_6-Net-(U1-GPIO28_ADC2): R10#4.1 U1#9.40
Board_6-Net-(U1-GPIO29_ADC3): R11.1 U1#9.41
Board_6-Net-(X1-OSC1): C1#2.2 R1#8.1 X1#2.1
Board_6-NS_CLK: J3#4.1 R9#7.2
Board_6-NS_CMD: J4.1 R10#4.2
Board_6-NS_CPU: J1#8.1 JP1#3.1 U1#9.18
Board_6-NS_D0: J5#9.1 R11.2
Board_6-NS_RST: J2#9.1 U1#9.38
Board_6-NS_SCL: J7#5.1 U1#9.16
Board_6-NS_SDA: J6#8.1 U1#9.15
Board_6-QSPI_CS: R5#2.2 R6#2.2 U1#9.56 U2#8.1
Board_6-QSPI_SCK: U1#9.52 U2#8.6
Board_6-QSPI_SD0: U1#9.53 U2#8.5
Board_6-QSPI_SD1: U1#9.55 U2#8.2
Board_6-QSPI_SD2: U1#9.54 U2#8.3
Board_6-QSPI_SD3: U1#9.51 U2#8.7
Board_6-RST: J8.1 R2#4.2 U1#9.26
Board_6-SW_CPU_LOWV: JP2#9.1 U1#9.4
Board_6-SW_I2C_LEDS: JP3#4.1 U1#9.5
Board_6-unconnected-(U1-GPIO4-Pad6): U1#9.6
Board_6-unconnected-(U1-GPIO5-Pad7): U1#9.7
Board_6-unconnected-(U1-GPIO6-Pad8): U1#9.8
Board_6-unconnected-(U1-GPIO7-Pad9): U1#9.9
Board_6-unconnected-(U1-GPIO8-Pad11): U1#9.11
Board_6-unconnected-(U1-GPIO9-Pad12): U1#9.12
Board_6-unconnected-(U1-GPIO10-Pad13): U1#9.13
Board_6-unconnected-(U1-GPIO11-Pad14): U1#9.14
Board_6-unconnected-(U1-GPIO14-Pad17): U1#9.17
Board_6-unconnected-(U1-GPIO17-Pad28): U1#9.28
Board_6-unconnected-(U1-GPIO18-Pad29): U1#9.29
Board_6-unconnected-(U1-GPIO19-Pad30): U1#9.30
Board_6-unconnected-(U1-GPIO20-Pad31): U1#9.31
Board_6-unconnected-(U1-GPIO21-Pad32): U1#9.32
Board_6-unconnected-(U1-GPIO22-Pad34): U1#9.34
Board_6-unconnected-(U1-GPIO23-Pad35): U1#9.35
Board_6-unconnected-(U1-GPIO24-Pad36): U1#9.36
Board_6-unconnected-(U5-DOUT-Pad1): U5#2.1
Board_6-XIN: C3#4.1 U1#9.20 X1#2.3
Board_6-XOUT: R1#8.2 U1#9.21
Board_7-+1V1: C2#9.1 C4#8.1 C5#3.1 U1#4.23 U1#4.45 U1#4.50
Board_7-+3V3: C6#7.2 C7#6.1 C8#7.1 C9#5.1 C10#5.1 C11#8.1 C12#3.1 C13.1 C14.1 J8#6.5 J10#7.1 J11#3.1 R2#6.1 R6#8.1 U1#4.1 U1#4.10 U1#4.22 U1#4.33 U1#4.42 U1#4.43 U1#4.44 U1#4.48 U1#4.49 U2#5.8 U5.2
Board_7-BOARD_DET: R3#7.1 U1#4.37
Board_7-BOOT: J8#6.2 R5.1 SW1#8.1
Board_7-D+: J8#6.3 U1#4.47
Board_7-D-: J8#6.4 U1#4.46
Board_7-DBG_CLK: U1#4.24
Board_7-DBG_DAT: U1#4.25
Board_7-FLY_IO0: J14#4.1 U1#4.2
Board_7-FLY_IO1: J15#6.1 U1#4.3
Board_7-GND: C1#6.1 C2#9.2 C3#8.2 C4#8.2 C5#3.2 C6#7.1 C7#6.2 C8#7.2 C9#5.2 C10#5.2 C11#8.2 C12#3.2 C13.2 C14.2 J8#6.6 J9.1 J12#9.1 R3#7.2 R4#3.2 R7#2.2 R12#2.2 SW1#8.2 U1#4.19 U1#4.57 U2#5.4 U2#5.9 U5.3 X1.2 X1.4
